# EAGLE board Mk4 Final a Panel score 2x5 (EAGLE 9.0.1), part 23 of 29 (continued)
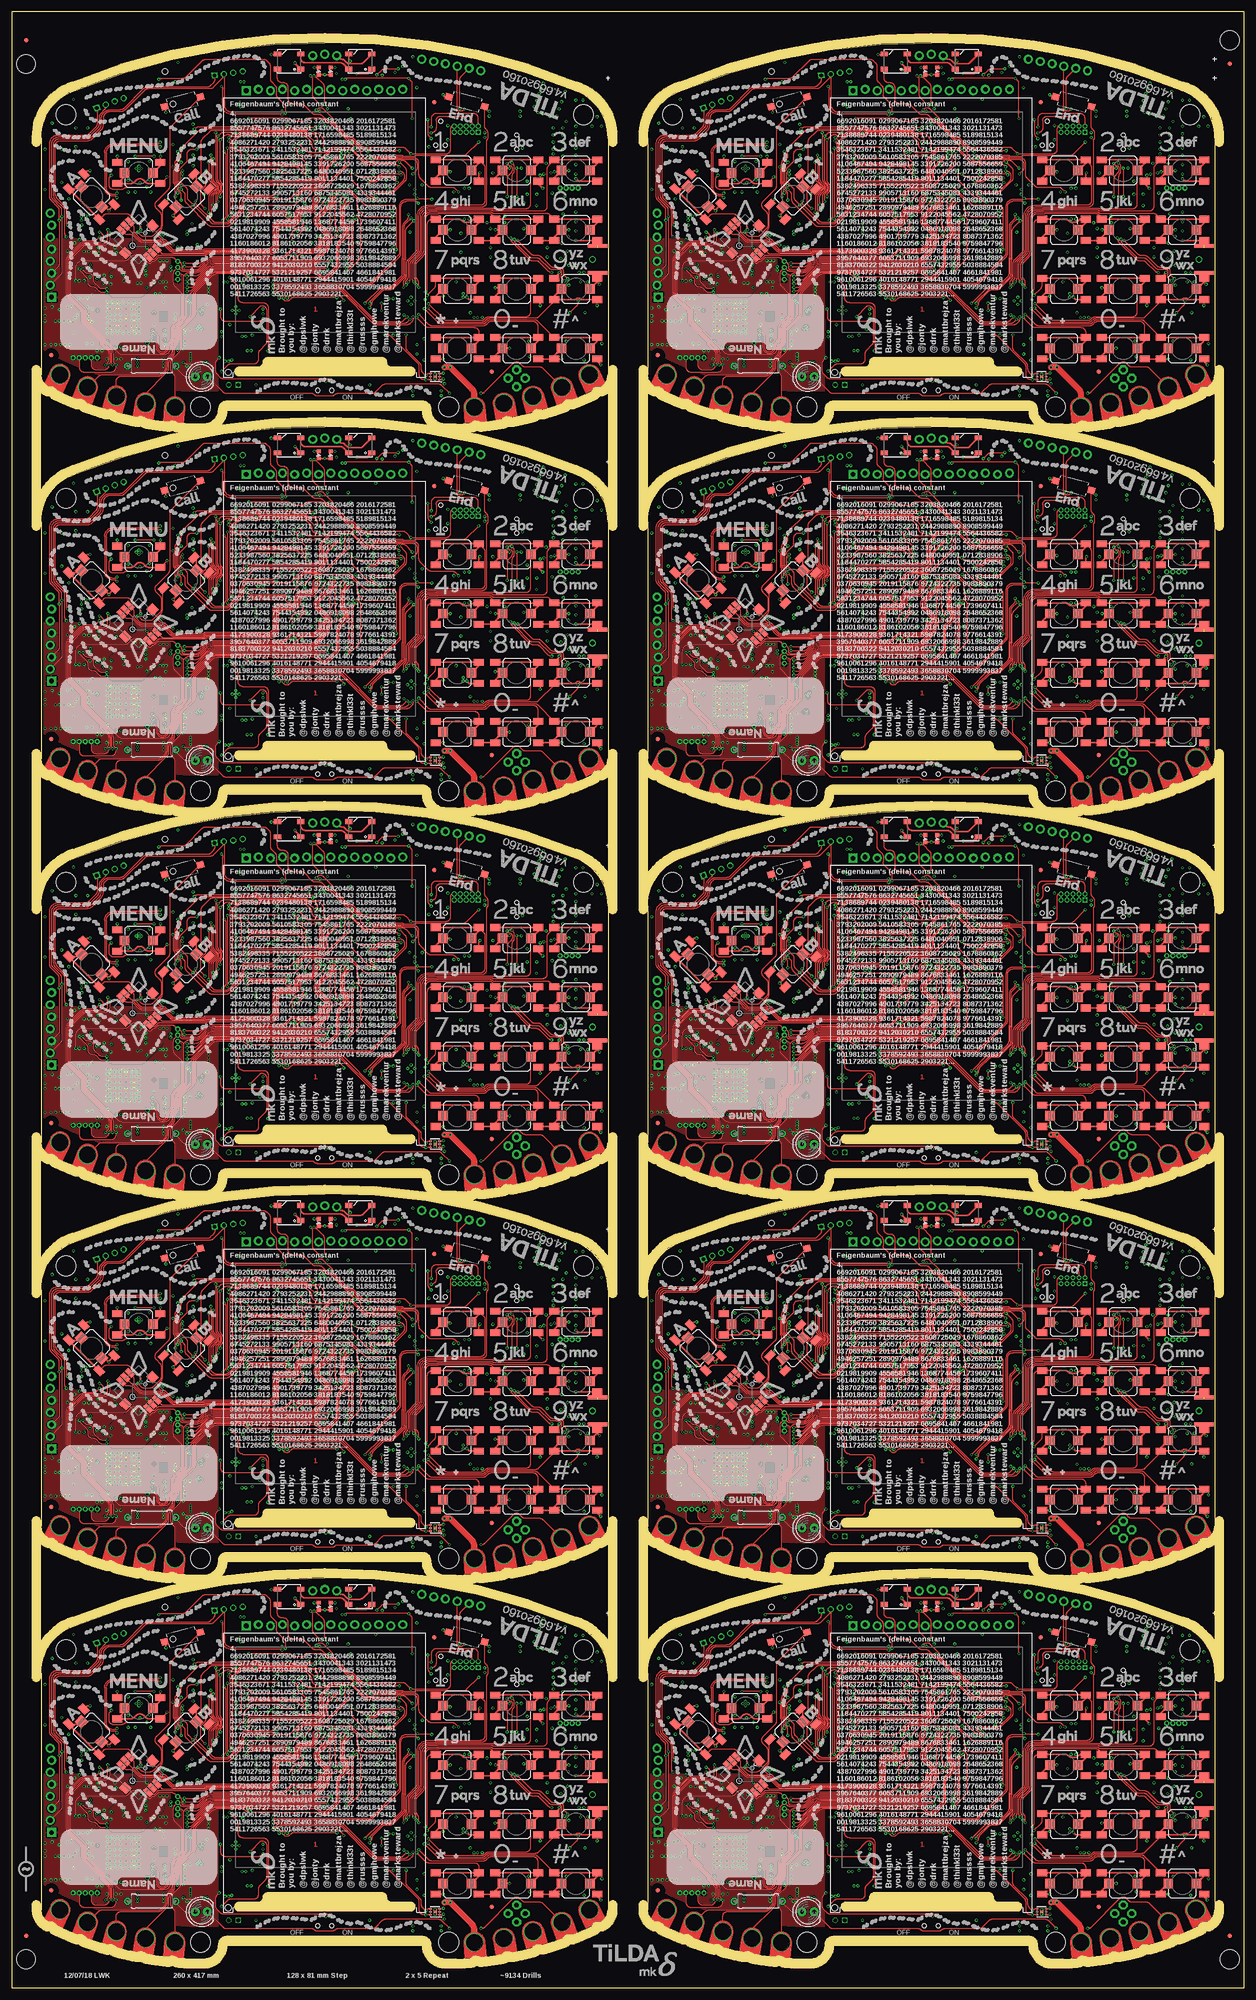
[diagram p0: board, top side]
## Tracks (layer width: path | path; a pad name or v marks a point on that pad's centre or on a via) (continued)
SIM_TXD_R2
  Bottom 0.15: IC39.1 98.2,121.95 arc90 97.25,121 arc-90 R197.2
SIM_TXD_R3
  Bottom 0.15: IC57.1 226.2,121.95 arc90 225.25,121 arc-90 R275.2
SIM_TXD_R4
  Bottom 0.15: IC75.1 98.2,202.95 arc90 97.25,202 arc-90 R353.2
SIM_TXD_R5
  Bottom 0.15: IC93.1 226.2,202.95 arc90 225.25,202 arc-90 R431.2
SIM_TXD_R6
  Bottom 0.15: IC111.1 98.2,283.95 arc90 97.25,283 arc-90 R509.2
SIM_TXD_R7
  Bottom 0.15: IC129.1 226.2,283.95 arc90 225.25,283 arc-90 R587.2
SIM_TXD_R8
  Bottom 0.15: IC147.1 98.2,364.95 arc90 97.25,364 arc-90 R665.2
SIM_TXD_R9
  Bottom 0.15: IC165.1 226.2,364.95 arc90 225.25,364 arc-90 R743.2
SIM_VBUS
  Bottom 0.25: IC5.24 115.35,50.85 arc90 116,51.5 116,55.49 JP9.4
SIM_VBUS1
  Bottom 0.25: IC21.24 243.35,50.85 arc90 244,51.5 244,55.49 JP14.4
SIM_VBUS2
  Bottom 0.25: IC39.24 115.35,131.85 arc90 116,132.5 116,136.49 JP23.4
SIM_VBUS3
  Bottom 0.25: IC57.24 243.35,131.85 arc90 244,132.5 244,136.49 JP32.4
SIM_VBUS4
  Bottom 0.25: IC75.24 115.35,212.85 arc90 116,213.5 116,217.49 JP41.4
SIM_VBUS5
  Bottom 0.25: IC93.24 243.35,212.85 arc90 244,213.5 244,217.49 JP50.4
SIM_VBUS6
  Bottom 0.25: IC111.24 115.35,293.85 arc90 116,294.5 116,298.49 JP59.4
SIM_VBUS7
  Bottom 0.25: IC129.24 243.35,293.85 arc90 244,294.5 244,298.49 JP68.4
SIM_VBUS8
  Bottom 0.25: IC147.24 115.35,374.85 arc90 116,375.5 116,379.49 JP77.4
SIM_VBUS9
  Bottom 0.25: IC165.24 243.35,374.85 arc90 244,375.5 244,379.49 JP86.4
SIM_VDD
  Bottom 0.3: C51.2 arc-45 121.5,20.85 121.5,22.84 arc-45 121.79,23.54 122.4,24.15 arc-45 123.1,24.44 J1.C1 124.11,25.2 arc-45 124.4,25.9 124.46,25.96 arc45 124.75,26.66 124.75,27.25 arc90 123.75,28.25 120,28.25 arc-90 119,29.25 119,30.09 arc45 118.71,30.79 118.54,30.96 arc-45 118.25,31.66 118.25,32.75 arc90 117.25,33.75 116.91,33.75 arc-45 116.21,34.04 115.54,34.71 arc-45 115.25,35.41 115.25,36.5 114.85,36.9 IC10.5 114.58,38.59 arc45 114.28,39.29 113.37,40.21 arc45 112.66,40.5 109.91,40.5 arc-45 109.21,40.79 107.79,42.21 arc-45 107.5,42.91 107.5,44.94 arc45 107.28,45.47 106.47,46.28 arc-45 106.25,46.81 106.25,52.34 arc-45 106.54,53.04 107.31,53.81 arc45 107.6,54.51 IC5.18
SIM_VDD1
  Bottom 0.3: C158.2 arc-45 249.5,20.85 249.5,22.84 arc-45 249.79,23.54 250.4,24.15 arc-45 251.1,24.44 J14.C1 252.11,25.2 arc-45 252.4,25.9 252.46,25.96 arc45 252.75,26.66 252.75,27.25 arc90 251.75,28.25 248,28.25 arc-90 247,29.25 247,30.09 arc45 246.71,30.79 246.54,30.96 arc-45 246.25,31.66 246.25,32.75 arc90 245.25,33.75 244.91,33.75 arc-45 244.21,34.04 243.54,34.71 arc-45 243.25,35.41 243.25,36.5 242.85,36.9 IC25.5 242.57,38.59 arc45 242.28,39.29 241.37,40.21 arc45 240.66,40.5 237.91,40.5 arc-45 237.21,40.79 235.79,42.21 arc-45 235.5,42.91 235.5,44.94 arc45 235.28,45.47 234.47,46.28 arc-45 234.25,46.81 234.25,52.34 arc-45 234.54,53.04 235.31,53.81 arc45 235.6,54.51 IC21.18
SIM_VDD2
  Bottom 0.3: C266.2 arc-45 121.5,101.85 121.5,103.84 arc-45 121.79,104.54 122.4,105.15 arc-45 123.1,105.44 J24.C1 124.11,106.2 arc-45 124.4,106.9 124.46,106.96 arc45 124.75,107.66 124.75,108.25 arc90 123.75,109.25 120,109.25 arc-90 119,110.25 119,111.09 arc45 118.71,111.79 118.54,111.96 arc-45 118.25,112.66 118.25,113.75 arc90 117.25,114.75 116.91,114.75 arc-45 116.21,115.04 115.54,115.71 arc-45 115.25,116.41 115.25,117.5 114.85,117.9 IC43.5 114.58,119.59 arc45 114.28,120.29 113.37,121.21 arc45 112.66,121.5 109.91,121.5 arc-45 109.21,121.79 107.79,123.21 arc-45 107.5,123.91 107.5,125.94 arc45 107.28,126.47 106.47,127.28 arc-45 106.25,127.81 106.25,133.34 arc-45 106.54,134.04 107.31,134.81 arc45 107.6,135.51 IC39.18
SIM_VDD3
  Bottom 0.3: C374.2 arc-45 249.5,101.85 249.5,103.84 arc-45 249.79,104.54 250.4,105.15 arc-45 251.1,105.44 J34.C1 252.11,106.2 arc-45 252.4,106.9 252.46,106.96 arc45 252.75,107.66 252.75,108.25 arc90 251.75,109.25 248,109.25 arc-90 247,110.25 247,111.09 arc45 246.71,111.79 246.54,111.96 arc-45 246.25,112.66 246.25,113.75 arc90 245.25,114.75 244.91,114.75 arc-45 244.21,115.04 243.54,115.71 arc-45 243.25,116.41 243.25,117.5 242.85,117.9 IC61.5 242.57,119.59 arc45 242.28,120.29 241.37,121.21 arc45 240.66,121.5 237.91,121.5 arc-45 237.21,121.79 235.79,123.21 arc-45 235.5,123.91 235.5,125.94 arc45 235.28,126.47 234.47,127.28 arc-45 234.25,127.81 234.25,133.34 arc-45 234.54,134.04 235.31,134.81 arc45 235.6,135.51 IC57.18
SIM_VDD4
  Bottom 0.3: C482.2 arc-45 121.5,182.85 121.5,184.84 arc-45 121.79,185.54 122.4,186.15 arc-45 123.1,186.44 J44.C1 124.11,187.2 arc-45 124.4,187.9 124.46,187.96 arc45 124.75,188.66 124.75,189.25 arc90 123.75,190.25 120,190.25 arc-90 119,191.25 119,192.09 arc45 118.71,192.79 118.54,192.96 arc-45 118.25,193.66 118.25,194.75 arc90 117.25,195.75 116.91,195.75 arc-45 116.21,196.04 115.54,196.71 arc-45 115.25,197.41 115.25,198.5 114.85,198.9 IC79.5 114.58,200.59 arc45 114.28,201.29 113.37,202.21 arc45 112.66,202.5 109.91,202.5 arc-45 109.21,202.79 107.79,204.21 arc-45 107.5,204.91 107.5,206.94 arc45 107.28,207.47 106.47,208.28 arc-45 106.25,208.81 106.25,214.34 arc-45 106.54,215.04 107.31,215.81 arc45 107.6,216.51 IC75.18
SIM_VDD5
  Bottom 0.3: C590.2 arc-45 249.5,182.85 249.5,184.84 arc-45 249.79,185.54 250.4,186.15 arc-45 251.1,186.44 J54.C1 252.11,187.2 arc-45 252.4,187.9 252.46,187.96 arc45 252.75,188.66 252.75,189.25 arc90 251.75,190.25 248,190.25 arc-90 247,191.25 247,192.09 arc45 246.71,192.79 246.54,192.96 arc-45 246.25,193.66 246.25,194.75 arc90 245.25,195.75 244.91,195.75 arc-45 244.21,196.04 243.54,196.71 arc-45 243.25,197.41 243.25,198.5 242.85,198.9 IC97.5 242.57,200.59 arc45 242.28,201.29 241.37,202.21 arc45 240.66,202.5 237.91,202.5 arc-45 237.21,202.79 235.79,204.21 arc-45 235.5,204.91 235.5,206.94 arc45 235.28,207.47 234.47,208.28 arc-45 234.25,208.81 234.25,214.34 arc-45 234.54,215.04 235.31,215.81 arc45 235.6,216.51 IC93.18
SIM_VDD6
  Bottom 0.3: C698.2 arc-45 121.5,263.85 121.5,265.84 arc-45 121.79,266.54 122.4,267.15 arc-45 123.1,267.44 J64.C1 124.11,268.2 arc-45 124.4,268.9 124.46,268.96 arc45 124.75,269.66 124.75,270.25 arc90 123.75,271.25 120,271.25 arc-90 119,272.25 119,273.09 arc45 118.71,273.79 118.54,273.96 arc-45 118.25,274.66 118.25,275.75 arc90 117.25,276.75 116.91,276.75 arc-45 116.21,277.04 115.54,277.71 arc-45 115.25,278.41 115.25,279.5 114.85,279.9 IC115.5 114.58,281.59 arc45 114.28,282.29 113.37,283.21 arc45 112.66,283.5 109.91,283.5 arc-45 109.21,283.79 107.79,285.21 arc-45 107.5,285.91 107.5,287.94 arc45 107.28,288.47 106.47,289.28 arc-45 106.25,289.81 106.25,295.34 arc-45 106.54,296.04 107.31,296.81 arc45 107.6,297.51 IC111.18
SIM_VDD7
  Bottom 0.3: C806.2 arc-45 249.5,263.85 249.5,265.84 arc-45 249.79,266.54 250.4,267.15 arc-45 251.1,267.44 J74.C1 252.11,268.2 arc-45 252.4,268.9 252.46,268.96 arc45 252.75,269.66 252.75,270.25 arc90 251.75,271.25 248,271.25 arc-90 247,272.25 247,273.09 arc45 246.71,273.79 246.54,273.96 arc-45 246.25,274.66 246.25,275.75 arc90 245.25,276.75 244.91,276.75 arc-45 244.21,277.04 243.54,277.71 arc-45 243.25,278.41 243.25,279.5 242.85,279.9 IC133.5 242.57,281.59 arc45 242.28,282.29 241.37,283.21 arc45 240.66,283.5 237.91,283.5 arc-45 237.21,283.79 235.79,285.21 arc-45 235.5,285.91 235.5,287.94 arc45 235.28,288.47 234.47,289.28 arc-45 234.25,289.81 234.25,295.34 arc-45 234.54,296.04 235.31,296.81 arc45 235.6,297.51 IC129.18
SIM_VDD8
  Bottom 0.3: C914.2 arc-45 121.5,344.85 121.5,346.84 arc-45 121.79,347.54 122.4,348.15 arc-45 123.1,348.44 J84.C1 124.11,349.2 arc-45 124.4,349.9 124.46,349.96 arc45 124.75,350.66 124.75,351.25 arc90 123.75,352.25 120,352.25 arc-90 119,353.25 119,354.09 arc45 118.71,354.79 118.54,354.96 arc-45 118.25,355.66 118.25,356.75 arc90 117.25,357.75 116.91,357.75 arc-45 116.21,358.04 115.54,358.71 arc-45 115.25,359.41 115.25,360.5 114.85,360.9 IC151.5 114.58,362.59 arc45 114.28,363.29 113.37,364.21 arc45 112.66,364.5 109.91,364.5 arc-45 109.21,364.79 107.79,366.21 arc-45 107.5,366.91 107.5,368.94 arc45 107.28,369.47 106.47,370.28 arc-45 106.25,370.81 106.25,376.34 arc-45 106.54,377.04 107.31,377.81 arc45 107.6,378.51 IC147.18
SIM_VDD9
  Bottom 0.3: C1022.2 arc-45 249.5,344.85 249.5,346.84 arc-45 249.79,347.54 250.4,348.15 arc-45 251.1,348.44 J94.C1 252.11,349.2 arc-45 252.4,349.9 252.46,349.96 arc45 252.75,350.66 252.75,351.25 arc90 251.75,352.25 248,352.25 arc-90 247,353.25 247,354.09 arc45 246.71,354.79 246.54,354.96 arc-45 246.25,355.66 246.25,356.75 arc90 245.25,357.75 244.91,357.75 arc-45 244.21,358.04 243.54,358.71 arc-45 243.25,359.41 243.25,360.5 242.85,360.9 IC169.5 242.57,362.59 arc45 242.28,363.29 241.37,364.21 arc45 240.66,364.5 237.91,364.5 arc-45 237.21,364.79 235.79,366.21 arc-45 235.5,366.91 235.5,368.94 arc45 235.28,369.47 234.47,370.28 arc-45 234.25,370.81 234.25,376.34 arc-45 234.54,377.04 235.31,377.81 arc45 235.6,378.51 IC165.18
SOP0  (via drill 0.3)
  Top 0.2: v20.05,34.55 19.11,34.55 arc-45 18.41,34.84 17.54,35.71 arc-45 17.25,36.41 17.25,36.75 arc90 16.25,37.75 16.16,37.75 arc-45 15.46,38.04 15.18,38.32 arc-45 v15,38.75
  Bottom 0.2: IC15.35 20.75,33.44 arc45 20.46,34.14 v20.05,34.55 | R64.1 16.25,40.65 15.44,39.84 arc45 15,38.78 v15,38.75
SOP1  (via drill 0.3)
  Top 0.2: v14.25,38.75 arc45 14.43,38.32 15.71,37.04 arc-45 16,36.34 16,36 arc90 17,35 17.06,35 arc-45 17.77,34.71 18.38,34.09 arc45 19.09,33.8 v20,33.8
  Bottom 0.2: IC15.34 20.25,33.34 arc45 20.1,33.7 v20,33.8 | R63.1 15.2,40.7 14.69,40.19 arc45 14.25,39.13 v14.25,38.75
SOP2
  Bottom 0.15: IC15.21 18.42,26.75 arc90 18.17,26.5 18.17,23.43 R62.1
SOP3
  Bottom 0.15: IC29.21 146.43,26.75 arc90 146.18,26.5 146.18,23.43 R140.1
SOP4  (via drill 0.3)
  Top 0.2: v142.25,38.75 arc45 142.43,38.32 143.71,37.04 arc-45 144,36.34 144,36 arc90 145,35 145.06,35 arc-45 145.76,34.71 146.38,34.09 arc45 147.09,33.8 v148,33.8
  Bottom 0.2: IC29.34 148.25,33.34 arc45 148.1,33.7 v148,33.8 | R141.1 143.2,40.7 142.69,40.19 arc45 142.25,39.13 v142.25,38.75
SOP5  (via drill 0.3)
  Top 0.2: v148.05,34.55 147.11,34.55 arc-45 146.41,34.84 145.54,35.71 arc-45 145.25,36.41 145.25,36.75 arc90 144.25,37.75 144.16,37.75 arc-45 143.46,38.04 143.18,38.32 arc-45 v143,38.75
  Bottom 0.2: IC29.35 148.75,33.44 arc45 148.46,34.14 v148.05,34.55 | R142.1 144.25,40.65 143.44,39.84 arc45 143,38.78 v143,38.75
SOP6
  Bottom 0.15: IC47.21 18.42,107.75 arc90 18.17,107.5 18.17,104.42 R218.1
SOP7  (via drill 0.3)
  Top 0.2: v14.25,119.75 arc45 14.43,119.32 15.71,118.04 arc-45 16,117.34 16,117 arc90 17,116 17.06,116 arc-45 17.77,115.71 18.38,115.09 arc45 19.09,114.8 v20,114.8
  Bottom 0.2: IC47.34 20.25,114.34 arc45 20.1,114.7 v20,114.8 | R219.1 15.2,121.7 14.69,121.19 arc45 14.25,120.13 v14.25,119.75
SOP8  (via drill 0.3)
  Top 0.2: v20.05,115.55 19.11,115.55 arc-45 18.41,115.84 17.54,116.71 arc-45 17.25,117.41 17.25,117.75 arc90 16.25,118.75 16.16,118.75 arc-45 15.46,119.04 15.18,119.32 arc-45 v15,119.75
  Bottom 0.2: IC47.35 20.75,114.44 arc45 20.46,115.14 v20.05,115.55 | R220.1 16.25,121.65 15.44,120.84 arc45 15,119.78 v15,119.75
SOP9
  Bottom 0.15: IC65.21 146.43,107.75 arc90 146.18,107.5 146.18,104.42 R296.1
SOP10  (via drill 0.3)
  Top 0.2: v142.25,119.75 arc45 142.43,119.32 143.71,118.04 arc-45 144,117.34 144,117 arc90 145,116 145.06,116 arc-45 145.76,115.71 146.38,115.09 arc45 147.09,114.8 v148,114.8
  Bottom 0.2: IC65.34 148.25,114.34 arc45 148.1,114.7 v148,114.8 | R297.1 143.2,121.7 142.69,121.19 arc45 142.25,120.13 v142.25,119.75
SOP11  (via drill 0.3)
  Top 0.2: v148.05,115.55 147.11,115.55 arc-45 146.41,115.84 145.54,116.71 arc-45 145.25,117.41 145.25,117.75 arc90 144.25,118.75 144.16,118.75 arc-45 143.46,119.04 143.18,119.32 arc-45 v143,119.75
  Bottom 0.2: IC65.35 148.75,114.44 arc45 148.46,115.14 v148.05,115.55 | R298.1 144.25,121.65 143.44,120.84 arc45 143,119.78 v143,119.75
SOP12
  Bottom 0.15: IC83.21 18.42,188.75 arc90 18.17,188.5 18.17,185.43 R374.1
SOP13  (via drill 0.3)
  Top 0.2: v14.25,200.75 arc45 14.43,200.32 15.71,199.04 arc-45 16,198.34 16,198 arc90 17,197 17.06,197 arc-45 17.77,196.71 18.38,196.09 arc45 19.09,195.8 v20,195.8
  Bottom 0.2: IC83.34 20.25,195.34 arc45 20.1,195.7 v20,195.8 | R375.1 15.2,202.7 14.69,202.19 arc45 14.25,201.13 v14.25,200.75
SOP14  (via drill 0.3)
  Top 0.2: v20.05,196.55 19.11,196.55 arc-45 18.41,196.84 17.54,197.71 arc-45 17.25,198.41 17.25,198.75 arc90 16.25,199.75 16.16,199.75 arc-45 15.46,200.04 15.18,200.32 arc-45 v15,200.75
  Bottom 0.2: IC83.35 20.75,195.44 arc45 20.46,196.14 v20.05,196.55 | R376.1 16.25,202.65 15.44,201.84 arc45 15,200.78 v15,200.75
SOP15
  Bottom 0.15: IC101.21 146.43,188.75 arc90 146.18,188.5 146.18,185.43 R452.1
SOP16  (via drill 0.3)
  Top 0.2: v142.25,200.75 arc45 142.43,200.32 143.71,199.04 arc-45 144,198.34 144,198 arc90 145,197 145.06,197 arc-45 145.76,196.71 146.38,196.09 arc45 147.09,195.8 v148,195.8
  Bottom 0.2: IC101.34 148.25,195.34 arc45 148.1,195.7 v148,195.8 | R453.1 143.2,202.7 142.69,202.19 arc45 142.25,201.13 v142.25,200.75
SOP17  (via drill 0.3)
  Top 0.2: v148.05,196.55 147.11,196.55 arc-45 146.41,196.84 145.54,197.71 arc-45 145.25,198.41 145.25,198.75 arc90 144.25,199.75 144.16,199.75 arc-45 143.46,200.04 143.18,200.32 arc-45 v143,200.75
  Bottom 0.2: IC101.35 148.75,195.44 arc45 148.46,196.14 v148.05,196.55 | R454.1 144.25,202.65 143.44,201.84 arc45 143,200.78 v143,200.75
SOP18
  Bottom 0.15: IC119.21 18.42,269.75 arc90 18.17,269.5 18.17,266.43 R530.1
SOP19  (via drill 0.3)
  Top 0.2: v14.25,281.75 arc45 14.43,281.32 15.71,280.04 arc-45 16,279.34 16,279 arc90 17,278 17.06,278 arc-45 17.77,277.71 18.38,277.09 arc45 19.09,276.8 v20,276.8
  Bottom 0.2: IC119.34 20.25,276.34 arc45 20.1,276.7 v20,276.8 | R531.1 15.2,283.7 14.69,283.19 arc45 14.25,282.13 v14.25,281.75
SOP20  (via drill 0.3)
  Top 0.2: v20.05,277.55 19.11,277.55 arc-45 18.41,277.84 17.54,278.71 arc-45 17.25,279.41 17.25,279.75 arc90 16.25,280.75 16.16,280.75 arc-45 15.46,281.04 15.18,281.32 arc-45 v15,281.75
  Bottom 0.2: IC119.35 20.75,276.44 arc45 20.46,277.14 v20.05,277.55 | R532.1 16.25,283.65 15.44,282.84 arc45 15,281.78 v15,281.75
SOP21
  Bottom 0.15: IC137.21 146.43,269.75 arc90 146.18,269.5 146.18,266.43 R608.1
SOP22  (via drill 0.3)
  Top 0.2: v142.25,281.75 arc45 142.43,281.32 143.71,280.04 arc-45 144,279.34 144,279 arc90 145,278 145.06,278 arc-45 145.76,277.71 146.38,277.09 arc45 147.09,276.8 v148,276.8
  Bottom 0.2: IC137.34 148.25,276.34 arc45 148.1,276.7 v148,276.8 | R609.1 143.2,283.7 142.69,283.19 arc45 142.25,282.13 v142.25,281.75
SOP23  (via drill 0.3)
  Top 0.2: v148.05,277.55 147.11,277.55 arc-45 146.41,277.84 145.54,278.71 arc-45 145.25,279.41 145.25,279.75 arc90 144.25,280.75 144.16,280.75 arc-45 143.46,281.04 143.18,281.32 arc-45 v143,281.75
  Bottom 0.2: IC137.35 148.75,276.44 arc45 148.46,277.14 v148.05,277.55 | R610.1 144.25,283.65 143.44,282.84 arc45 143,281.78 v143,281.75
SOP24
  Bottom 0.15: IC155.21 18.42,350.75 arc90 18.17,350.5 18.17,347.43 R686.1
SOP25  (via drill 0.3)
  Top 0.2: v14.25,362.75 arc45 14.43,362.32 15.71,361.04 arc-45 16,360.34 16,360 arc90 17,359 17.06,359 arc-45 17.77,358.71 18.38,358.09 arc45 19.09,357.8 v20,357.8
  Bottom 0.2: IC155.34 20.25,357.34 arc45 20.1,357.7 v20,357.8 | R687.1 15.2,364.7 14.69,364.19 arc45 14.25,363.13 v14.25,362.75
SOP26  (via drill 0.3)
  Top 0.2: v20.05,358.55 19.11,358.55 arc-45 18.41,358.84 17.54,359.71 arc-45 17.25,360.41 17.25,360.75 arc90 16.25,361.75 16.16,361.75 arc-45 15.46,362.04 15.18,362.32 arc-45 v15,362.75
  Bottom 0.2: IC155.35 20.75,357.44 arc45 20.46,358.14 v20.05,358.55 | R688.1 16.25,364.65 15.44,363.84 arc45 15,362.78 v15,362.75
SOP27
  Bottom 0.15: IC173.21 146.43,350.75 arc90 146.18,350.5 146.18,347.43 R764.1
SOP28  (via drill 0.3)
  Top 0.2: v142.25,362.75 arc45 142.43,362.32 143.71,361.04 arc-45 144,360.34 144,360 arc90 145,359 145.06,359 arc-45 145.76,358.71 146.38,358.09 arc45 147.09,357.8 v148,357.8
  Bottom 0.2: IC173.34 148.25,357.34 arc45 148.1,357.7 v148,357.8 | R765.1 143.2,364.7 142.69,364.19 arc45 142.25,363.13 v142.25,362.75
SOP29  (via drill 0.3)
  Top 0.2: v148.05,358.55 147.11,358.55 arc-45 146.41,358.84 145.54,359.71 arc-45 145.25,360.41 145.25,360.75 arc90 144.25,361.75 144.16,361.75 arc-45 143.46,362.04 143.18,362.32 arc-45 v143,362.75
  Bottom 0.2: IC173.35 148.75,357.44 arc45 148.46,358.14 v148.05,358.55 | R766.1 144.25,364.65 143.44,363.84 arc45 143,362.78 v143,362.75
SPK_AMP_N
  Bottom 0.2: IC13.8 25.83,57.17 arc-90 24.83,56.17 22.34,56.17 arc45 21.63,55.88 U5.-
SPK_AMP_N1
  Bottom 0.2: IC28.8 153.82,57.17 arc-90 152.82,56.17 150.34,56.17 arc45 149.63,55.88 U6.-
SPK_AMP_N2
  Bottom 0.2: IC46.8 25.83,138.18 arc-90 24.83,137.18 22.34,137.18 arc45 21.63,136.88 U9.-
SPK_AMP_N3
  Bottom 0.2: IC64.8 153.82,138.18 arc-90 152.82,137.18 150.34,137.18 arc45 149.63,136.88 U12.-
SPK_AMP_N4
  Bottom 0.2: IC82.8 25.83,219.18 arc-90 24.83,218.18 22.34,218.18 arc45 21.63,217.88 U15.-
SPK_AMP_N5
  Bottom 0.2: IC100.8 153.82,219.18 arc-90 152.82,218.18 150.34,218.18 arc45 149.63,217.88 U18.-
SPK_AMP_N6
  Bottom 0.2: IC118.8 25.83,300.18 arc-90 24.83,299.18 22.34,299.18 arc45 21.63,298.88 U21.-
SPK_AMP_N7
  Bottom 0.2: IC136.8 153.82,300.18 arc-90 152.82,299.18 150.34,299.18 arc45 149.63,298.88 U24.-
SPK_AMP_N8
  Bottom 0.2: IC154.8 25.83,381.18 arc-90 24.83,380.18 22.34,380.18 arc45 21.63,379.88 U27.-
SPK_AMP_N9
  Bottom 0.2: IC172.8 153.82,381.18 arc-90 152.82,380.18 150.34,380.18 arc45 149.63,379.88 U30.-
SPK_AMP_P  (via drill 0.3)
  Top 0.2: v28.5,56 24.29,56 arc45 23.79,55.79 arc-45 23.09,55.5 21.5,55.5 arc-90 20.5,56.5 20.5,57.59 arc-45 20.79,58.29 v21,58.5
  Bottom 0.2: IC13.5 27.77,57.14 arc45 28.07,56.43 v28.5,56 | U5.+ 19.25,60.66 arc45 19.54,59.96 v21,58.5
SPK_AMP_P1  (via drill 0.3)
  Top 0.2: v156.5,56 152.29,56 arc45 151.79,55.79 arc-45 151.09,55.5 149.5,55.5 arc-90 148.5,56.5 148.5,57.59 arc-45 148.79,58.29 v149,58.5
  Bottom 0.2: IC28.5 155.78,57.14 arc45 156.07,56.43 v156.5,56 | U6.+ 147.25,60.66 arc45 147.54,59.96 v149,58.5
SPK_AMP_P2  (via drill 0.3)
  Top 0.2: v28.5,137 24.29,137 arc45 23.79,136.79 arc-45 23.09,136.5 21.5,136.5 arc-90 20.5,137.5 20.5,138.59 arc-45 20.79,139.29 v21,139.5
  Bottom 0.2: IC46.5 27.77,138.14 arc45 28.07,137.43 v28.5,137 | U9.+ 19.25,141.66 arc45 19.54,140.96 v21,139.5
SPK_AMP_P3  (via drill 0.3)
  Top 0.2: v156.5,137 152.29,137 arc45 151.79,136.79 arc-45 151.09,136.5 149.5,136.5 arc-90 148.5,137.5 148.5,138.59 arc-45 148.79,139.29 v149,139.5
  Bottom 0.2: IC64.5 155.78,138.14 arc45 156.07,137.43 v156.5,137 | U12.+ 147.25,141.66 arc45 147.54,140.96 v149,139.5
SPK_AMP_P4  (via drill 0.3)
  Top 0.2: v28.5,218 24.29,218 arc45 23.79,217.79 arc-45 23.09,217.5 21.5,217.5 arc-90 20.5,218.5 20.5,219.59 arc-45 20.79,220.29 v21,220.5
  Bottom 0.2: IC82.5 27.77,219.14 arc45 28.07,218.43 v28.5,218 | U15.+ 19.25,222.66 arc45 19.54,221.96 v21,220.5
SPK_AMP_P5  (via drill 0.3)
  Top 0.2: v156.5,218 152.29,218 arc45 151.79,217.79 arc-45 151.09,217.5 149.5,217.5 arc-90 148.5,218.5 148.5,219.59 arc-45 148.79,220.29 v149,220.5
  Bottom 0.2: IC100.5 155.78,219.14 arc45 156.07,218.43 v156.5,218 | U18.+ 147.25,222.66 arc45 147.54,221.96 v149,220.5
SPK_AMP_P6  (via drill 0.3)
  Top 0.2: v28.5,299 24.29,299 arc45 23.79,298.79 arc-45 23.09,298.5 21.5,298.5 arc-90 20.5,299.5 20.5,300.59 arc-45 20.79,301.29 v21,301.5
  Bottom 0.2: IC118.5 27.77,300.14 arc45 28.07,299.43 v28.5,299 | U21.+ 19.25,303.66 arc45 19.54,302.96 v21,301.5
SPK_AMP_P7  (via drill 0.3)
  Top 0.2: v156.5,299 152.29,299 arc45 151.79,298.79 arc-45 151.09,298.5 149.5,298.5 arc-90 148.5,299.5 148.5,300.59 arc-45 148.79,301.29 v149,301.5
  Bottom 0.2: IC136.5 155.78,300.14 arc45 156.07,299.43 v156.5,299 | U24.+ 147.25,303.66 arc45 147.54,302.96 v149,301.5
SPK_AMP_P8  (via drill 0.3)
  Top 0.2: v28.5,380 24.29,380 arc45 23.79,379.79 arc-45 23.09,379.5 21.5,379.5 arc-90 20.5,380.5 20.5,381.59 arc-45 20.79,382.29 v21,382.5
  Bottom 0.2: IC154.5 27.77,381.14 arc45 28.07,380.43 v28.5,380 | U27.+ 19.25,384.66 arc45 19.54,383.96 v21,382.5
SPK_AMP_P9  (via drill 0.3)
  Top 0.2: v156.5,380 152.29,380 arc45 151.79,379.79 arc-45 151.09,379.5 149.5,379.5 arc-90 148.5,380.5 148.5,381.59 arc-45 148.79,382.29 v149,382.5
  Bottom 0.2: IC172.5 155.78,381.14 arc45 156.07,380.43 v156.5,380 | U30.+ 147.25,384.66 arc45 147.54,383.96 v149,382.5
SPK_N  (via drill 0.3)
  Top 0.2: v55,35.9 55.23,35.67 75.21,35.67 arc45 75.92,35.97 81.46,41.51 arc45 81.75,42.21 81.75,51.92 arc-90 83.17,53.34 85.11,53.34 arc45 85.46,53.49 v85.59,53.62 85.76,53.45 v88.6,53.45 | v31.3,64.5 31.27,64.53 arc45 30.56,64.83 21.5,64.83 arc90 19.92,63.25 19.92,55.95 arc90 21.45,54.42 21.72,54.42 arc45 22.07,54.57 v22.2,54.7
  Bottom 0.2: IC5.12 98.6,53 C68.2 | C65.1 C68.2 | C67.1 C64.2 | C64.2 C68.2 | C64.2 95.17,52.67 90.46,52.67 arc-45 90.39,52.7 90.3,52.8 arc45 90.23,52.83 89.22,52.83 arc-90 v88.6,53.45 | v55,35.9 54.77,35.67 54.29,35.67 arc-45 53.58,35.97 51.27,38.28 arc45 50.8,38.48 50.69,38.48 arc-45 49.98,38.77 46.66,42.08 arc45 45.96,42.38 39.39,42.38 arc-45 38.68,42.67 35.87,45.48 arc-45 35.58,46.19 35.58,46.7 arc90 33.9,48.38 31.29,48.38 arc-45 30.58,48.67 28.37,50.88 arc45 27.66,51.17 24.4,51.17 arc-90 23.67,51.9 23.67,53.6 arc90 22.85,54.42 22.68,54.42 arc-45 22.33,54.57 v22.2,54.7 | 30.45,64.5 C82.2 30.5,64.5 v31.3,64.5 | v85.59,53.62 86.1,53.11 86.1,53.05 86.66,52.5 R43.1
SPK_N1  (via drill 0.3)
  Top 0.2: v183,35.9 183.22,35.67 203.21,35.67 arc45 203.92,35.97 209.46,41.51 arc45 209.75,42.21 209.75,51.92 arc-90 211.17,53.34 213.11,53.34 arc45 213.46,53.49 v213.59,53.62 213.76,53.45 v216.6,53.45 | v159.3,64.5 159.27,64.53 arc45 158.56,64.83 149.5,64.83 arc90 147.93,63.25 147.93,55.95 arc90 149.45,54.42 149.72,54.42 arc45 150.07,54.57 v150.2,54.7
  Bottom 0.2: IC21.12 226.6,53 C169.2 | C166.1 C169.2 | C168.1 C165.2 | C165.2 C169.2 | C165.2 223.18,52.67 218.46,52.67 arc-45 218.39,52.7 218.3,52.8 arc45 218.23,52.83 217.22,52.83 arc-90 v216.6,53.45 | v183,35.9 182.78,35.67 182.29,35.67 arc-45 181.58,35.97 179.26,38.28 arc45 178.8,38.48 178.69,38.48 arc-45 177.98,38.77 174.67,42.08 arc45 173.96,42.38 167.39,42.38 arc-45 166.68,42.67 163.87,45.48 arc-45 163.57,46.19 163.57,46.7 arc90 161.9,48.38 159.29,48.38 arc-45 158.58,48.67 156.37,50.88 arc45 155.66,51.17 152.4,51.17 arc-90 151.68,51.9 151.68,53.6 arc90 150.85,54.42 150.68,54.42 arc-45 150.33,54.57 v150.2,54.7 | 158.45,64.5 C183.2 158.5,64.5 v159.3,64.5 | v213.59,53.62 214.1,53.11 214.1,53.05 214.66,52.5 R125.1
SPK_N2  (via drill 0.3)
  Top 0.2: v55,116.9 55.23,116.67 75.21,116.67 arc45 75.92,116.97 81.46,122.5 arc45 81.75,123.21 81.75,132.93 arc-90 83.17,134.34 85.11,134.34 arc45 85.46,134.49 v85.59,134.62 85.76,134.45 v88.6,134.45 | v31.3,145.5 31.27,145.53 arc45 30.56,145.82 21.5,145.82 arc90 19.92,144.25 19.92,136.95 arc90 21.45,135.43 21.72,135.43 arc45 22.07,135.57 v22.2,135.7
  Bottom 0.2: IC39.12 98.6,134 C277.2 | C274.1 C277.2 | C276.1 C273.2 | C273.2 C277.2 | C273.2 95.17,133.68 90.46,133.68 arc-45 90.39,133.7 90.3,133.8 arc45 90.23,133.82 89.22,133.82 arc-90 v88.6,134.45 | v55,116.9 54.77,116.67 54.29,116.67 arc-45 53.58,116.97 51.27,119.28 arc45 50.8,119.47 50.69,119.47 arc-45 49.98,119.77 46.66,123.08 arc45 45.96,123.38 39.39,123.38 arc-45 38.68,123.67 35.87,126.48 arc-45 35.58,127.19 35.58,127.7 arc90 33.9,129.38 31.29,129.38 arc-45 30.58,129.67 28.37,131.88 arc45 27.66,132.18 24.4,132.18 arc-90 23.67,132.9 23.67,134.6 arc90 22.85,135.43 22.68,135.43 arc-45 22.33,135.57 v22.2,135.7 | 30.45,145.5 C291.2 30.5,145.5 v31.3,145.5 | v85.59,134.62 86.1,134.11 86.1,134.06 86.66,133.5 R203.1
SPK_N3  (via drill 0.3)
  Top 0.2: v183,116.9 183.22,116.67 203.21,116.67 arc45 203.92,116.97 209.46,122.5 arc45 209.75,123.21 209.75,132.93 arc-90 211.17,134.34 213.11,134.34 arc45 213.46,134.49 v213.59,134.62 213.76,134.45 v216.6,134.45 | v159.3,145.5 159.27,145.53 arc45 158.56,145.82 149.5,145.82 arc90 147.93,144.25 147.93,136.95 arc90 149.45,135.43 149.72,135.43 arc45 150.07,135.57 v150.2,135.7
  Bottom 0.2: IC57.12 226.6,134 C385.2 | C382.1 C385.2 | C384.1 C381.2 | C381.2 C385.2 | C381.2 223.18,133.68 218.46,133.68 arc-45 218.39,133.7 218.3,133.8 arc45 218.23,133.82 217.22,133.82 arc-90 v216.6,134.45 | v183,116.9 182.78,116.67 182.29,116.67 arc-45 181.58,116.97 179.26,119.28 arc45 178.8,119.47 178.69,119.47 arc-45 177.98,119.77 174.67,123.08 arc45 173.96,123.38 167.39,123.38 arc-45 166.68,123.67 163.87,126.48 arc-45 163.57,127.19 163.57,127.7 arc90 161.9,129.38 159.29,129.38 arc-45 158.58,129.67 156.37,131.88 arc45 155.66,132.18 152.4,132.18 arc-90 151.68,132.9 151.68,134.6 arc90 150.85,135.43 150.68,135.43 arc-45 150.33,135.57 v150.2,135.7 | 158.45,145.5 C399.2 158.5,145.5 v159.3,145.5 | v213.59,134.62 214.1,134.11 214.1,134.06 214.66,133.5 R281.1
SPK_N4  (via drill 0.3)
  Top 0.2: v55,197.9 55.23,197.68 75.21,197.68 arc45 75.92,197.97 81.46,203.5 arc45 81.75,204.21 81.75,213.93 arc-90 83.17,215.34 85.11,215.34 arc45 85.46,215.49 v85.59,215.62 85.76,215.45 v88.6,215.45 | v31.3,226.5 31.27,226.53 arc45 30.56,226.82 21.5,226.82 arc90 19.92,225.25 19.92,217.95 arc90 21.45,216.43 21.72,216.43 arc45 22.07,216.57 v22.2,216.7